# KiCad board glasgow_revD0.kicad_pcb (continued)
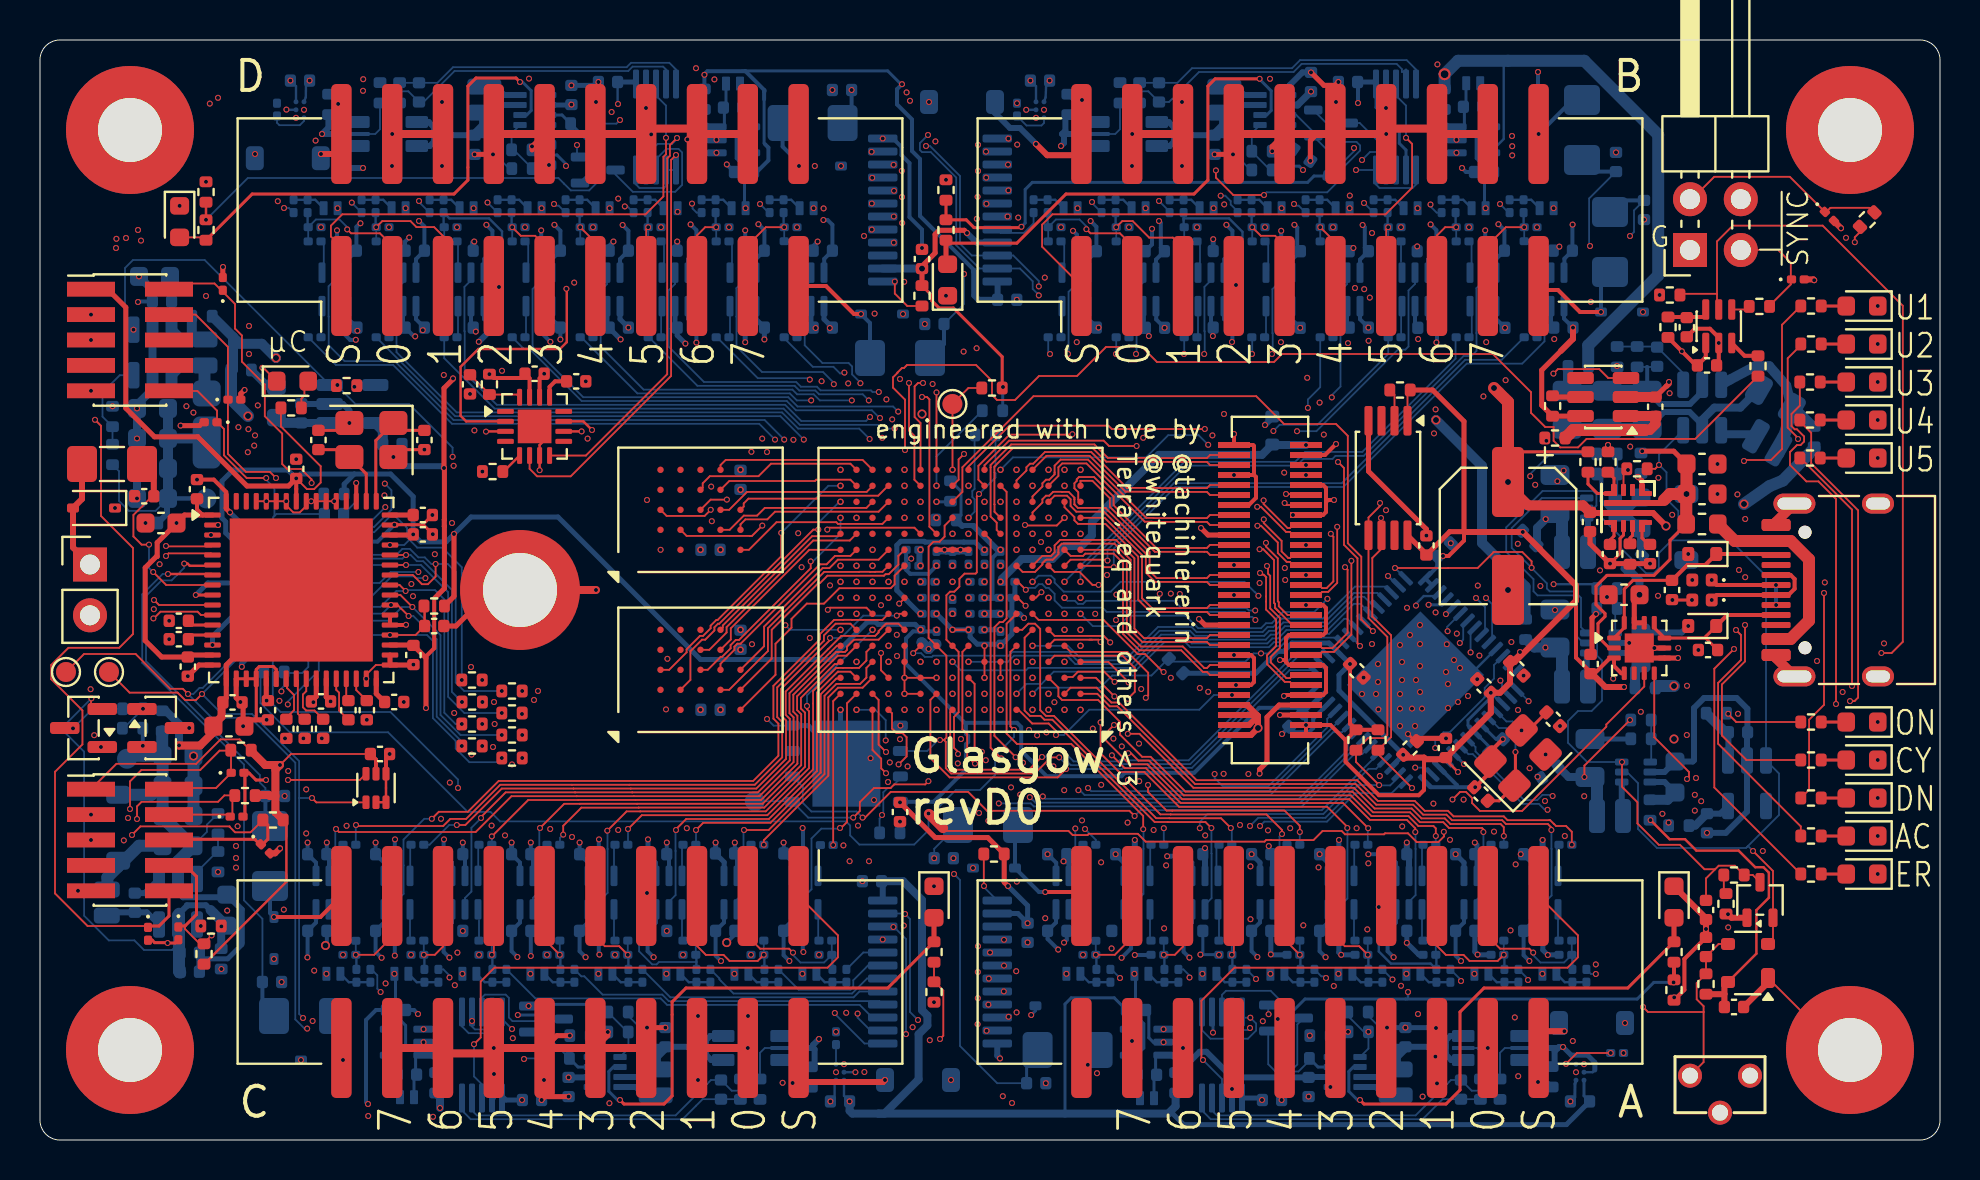
[diagram p0: board, top side]
## Routing (per net, layer and track width the routed paths; a pad name or vN(x,y) marks a point on that pad's centre or on a via; arc(x,y) is an arc through that point) (continued)
/ENVD: length 98.6
  Top w0.12: R21.1 v1(8.3,46.01)
  In2.Cu w0.09: v1(73.6,50.2) 73.19,50.61 53.66,50.61 53.36,50.91 50.45,50.91 50.05,50.5 49.55,50.5 49.15,50.91 45.29,50.91 44.94,50.56 43.91,50.56 43.38,51.09 32.62,51.09 32.14,50.61 29.39,50.61 v1(29,51)
  In3.Cu w0.09: v1(72.3,27.1) 73,27.8 73,33.22 73.91,34.13 73.91,45.77 73.92,45.78 73.92,49.88 v1(73.6,50.2)
  Bottom w0.09: v1(72.3,27.1) 72.6,26.8 72.6,25.07 U2.52 ; v1(29,51) 28.82,50.82 R211.1 27.9,50.47 27.9,47.92 27.46,47.48 26.54,47.48 26.2,47.82 25.92,48.1 10.39,48.1 v1(8.3,46.01)
/FLAGA: length 25.1
  Top w0.09: 44.82,22.31 44.52,22 44.52,19.09 45.48,18.13 50.88,18.13 v1(51.3,18.55)
  Bottom w0.09: v1(51.3,18.55) 54.09,18.55 54.15,18.61 57.59,18.61 62.48,23.49 U2.29
/FLAGB: length 37.8
  Top w0.09: 45.2,20 45.29,19.91 45.29,18.59 45.56,18.33 49.74,18.33 50.54,19.13 v1(50.96,19.13) ; 45.2,20 45.32,20.12 45.32,24.22 44.43,25.11 44.43,29.67 44.67,29.91 44.97,29.91 45.23,30.17 45.23,30.72 U8.N9 ; 45.2,20 v1(45,20)
  Bottom w0.09: v1(45,20) 44.91,20 44.36,19.45 U9.6 ; v1(50.96,19.13) 51.19,18.9 51.38,18.9 51.54,18.74 54.02,18.74 54.07,18.8 57.51,18.8 62.89,24.17 63.71,24.17 U2.30
/FLAGC: length 24.6
  Top w0.09: U8.A9 45.51,21.39 45.51,18.64 45.63,18.52 49.44,18.52 50.08,19.15 v1(50.1,19.15)
  Bottom w0.09: v1(50.1,19.15) 50.27,19.15 50.6,19.48 51.13,19.48 51.68,18.93 53.94,18.93 53.99,18.99 57.44,18.99 62.81,24.36 64.23,24.36
/FLAGD: length 20
  Bottom w0.09: U2.40 67.29,27.67 65.75,27.67 65.62,27.54 65.61,27.54 64.14,26.07 62.09,26.07 61.67,25.65 61.38,25.65 61.13,25.4 57.83,25.4 57.58,25.65 55.9,25.65 54.42,24.18 51.93,24.18 51.39,24.71 v1(49.62,24.71)
/FPGA/CSSPIN: length 29.7
  Top w0.09: v1(44.42,17.94) 44.26,17.78 42.71,17.78 42.53,17.59 41.69,17.59 40.99,16.89 40.99,16.45 v1(40.66,16.12)
  In3.Cu w0.09: v1(46.43,31.11) 46.4,31.11 45.96,30.67 45.96,30.21 45.71,29.96 44.88,29.96 44.52,29.6 44.52,28.41 44.57,28.36 44.81,28.36 45.25,27.92 45.25,24.77 44.52,24.04 44.52,23.87 44.33,23.68 44.33,18.03 v1(44.42,17.94)
  Bottom w0.09: v1(40.66,16.12) 38.41,16.12 U9.1 37.59,16.94 TP3.1 ; R40.1 46.73,35.23 46.73,32.56 46.62,32.45 46.62,32.15 46.73,32.04 46.73,31.42 v1(46.43,31.11)
/FPGA/RAM + LVDS/CK0: length 13
  Top w0.09: v1(38.91,30.52) 38.67,30.52 33.96,25.81 33.9,25.81 33.72,25.64 33.72,25.48 33.26,25.02 33.1,25.02 32.52,24.44 32.52,23 32.03,22.51
  Bottom w0.09: v1(40.03,31.91) 39.97,31.91 38.91,30.86 v1(38.91,30.52)
/FPGA/RAM + LVDS/CK1: length 12.7
  Top w0.09: v1(39.37,30.52) 39.46,30.61 43.72,30.61 U8.M11 ; 32.03,30.51 32.33,30.2 35.49,30.2 35.5,30.2 35.59,30.2 v1(36.12,30.72)
  In2.Cu w0.09: v1(39.37,30.52) 39.06,30.83 36.22,30.83 v1(36.12,30.72)
/FPGA/RAM + LVDS/CS#0: length 13.7
  Top w0.09: U11.A3 31.46,23.51 32.33,24.38 32.33,24.53 33,25.2 33.15,25.2 33.53,25.58 33.53,25.72 33.82,26 33.88,26 37.06,29.18 v1(37.06,30.36)
  Bottom w0.09: v1(40.03,32.71) 39.42,32.71 v1(37.06,30.36)
/FPGA/RAM + LVDS/CS#1: length 13.4
  Top w0.09: U12.A3 31.33,31.2 33.23,31.2 v1(33.53,31.51)
  In2.Cu w0.09: v1(33.53,31.51) 43.62,31.51 v1(44.03,31.91)
/FPGA/RAM + LVDS/DETECT: length 12.2
  Top w0.09: 48.82,21.51 48.92,21.51 49.61,20.83 50.43,20.83 50.8,20.46 v1(50.8,20.25)
  Bottom w0.09: v1(59.6,22.25) 58.7,22.25 57.97,21.52 52.46,21.52 51.2,20.25 v1(50.8,20.25)
/FPGA/RAM + LVDS/DQ0: length 9.6
  Top w0.09: 40.82,29.51 40.52,29.2 39.75,29.2 39.33,28.78 39,28.78 35.03,24.81 34.87,24.81 34.72,24.67 34.72,24.5 34.03,23.81 U11.D3
/FPGA/RAM + LVDS/DQ1: length 11.6
  Top w0.09: U8.K13 42.12,28.41 41.76,28.41 41.75,28.41 41.5,28.41 41.49,28.41 40.96,28.41 40.95,28.41 39.21,28.41 36.4,25.59 36.4,24.45 34.46,22.51 U11.D2
/FPGA/RAM + LVDS/DQ2: length 10.4
  Top w0.09: 40.82,30.31 40.49,29.97 38.66,29.97 34.33,25.64 34.33,25.38 33.47,24.51 U11.C4
/FPGA/RAM + LVDS/DQ3: length 8.4
  Top w0.09: U11.D4 34.54,25.02 34.54,25.58 38.47,29.51 U8.L16
/FPGA/RAM + LVDS/DQ4: length 8
  Top w0.09: U8.M16 39.91,30.19 38.61,30.19 34.14,25.72 34.14,25.62 U11.D5
/FPGA/RAM + LVDS/DQ5: length 10.5
  Top w0.09: U11.E3 36.21,24.69 36.21,25.67 39.13,28.59 39.47,28.59 39.89,29.02 41.93,29.02 U8.L13
/FPGA/RAM + LVDS/DQ6: length 12.2
  Top w0.09: U11.E2 36.59,24.07 36.59,25.51 38.93,27.85 39.01,27.85 39.37,28.22 42.2,28.22 42.28,28.29 42.44,28.29 42.92,28.77 42.92,29.2 U8.L12
/FPGA/RAM + LVDS/DQ7: length 12.6
  Top w0.09: U11.E1 36.78,23.26 36.78,24.81 37.57,25.61 37.57,26.06 38.34,26.82 39.2,26.82 39.97,27.59 42.54,27.59 42.73,27.78 42.73,28.22 U8.K12
/FPGA/RAM + LVDS/DQ8: length 8.1
  Top w0.09: 41.62,32.7 41.33,32.41 35.35,32.41 34.46,31.51 U12.D3
/FPGA/RAM + LVDS/DQ9: length 8.2
  Top w0.09: U12.D2 34.48,30.51 35.19,31.22 35.85,31.22 36.24,31.61 41.32,31.61 U8.P14
/FPGA/RAM + LVDS/DQ10: length 8.6
  Top w0.09: U12.C4 33.13,32.62 33.13,32.83 33.49,33.19 35.93,33.19 36.55,33.81 40.52,33.81 40.82,33.51
/FPGA/RAM + LVDS/DQ11: length 7.1
  Top w0.09: 40.82,32.71 40.52,33.02 38.81,33.02 38.75,32.95 34.47,32.95 U12.D4
/FPGA/RAM + LVDS/DQ12: length 8.1
  Top w0.09: U8.T14 41.13,34 34.28,34 34.03,33.75 U12.D5
/FPGA/RAM + LVDS/DQ13: length 8
  Top w0.09: 42.41,32.71 41.91,32.22 38.97,32.22 38.82,32.07 35.43,32.07 35.19,31.83 35.19,31.67 U12.E3
/FPGA/RAM + LVDS/DQ14: length 8.1
  Top w0.09: U8.P13 41.93,31.42 36.75,31.42 36.37,31.03 35.27,31.03 35.03,30.78 U12.E2
/FPGA/RAM + LVDS/DQ15: length 8.1
  Top w0.09: U8.N13 42.12,30.81 39.9,30.81 39.81,30.89 36.82,30.89 35.44,29.51 U12.E1
/FPGA/RAM + LVDS/DQS0: length 10.9
  Top w0.09: U11.C3 33.39,23.51 34.04,24.16 34.11,24.16 34.53,24.58 34.53,24.75 34.79,25 34.95,25 38.53,28.59 v1(38.53,28.93)
  Bottom w0.09: v1(38.53,28.93) 38.65,28.93 40.03,30.31 v1(40.03,31.11)
/FPGA/RAM + LVDS/DQS1: length 10.7
  Top w0.09: v1(34.34,32.02) 33.53,32.02 U12.C3
  In2.Cu w0.09: v1(34.34,32.02) 35.74,32.02 36.09,32.38 42.9,32.38 v1(43.22,32.71)
/FPGA/RAM + LVDS/VIO_{AUX}: length 19.3
  In2.Cu w0.4: v1(47.22,27.91) v1(48.03,27.91)
  Bottom w0.4: 48.1,27.91 48.1,28.07 49.09,29.05 50.62,29.05 51.27,29.7 52.07,29.7 52.59,30.23 52.59,30.91 55.94,34.25 61.1,34.25 D36.1 61.64,34.75 v1(63.3,34.75)
/FPGA/RAM + LVDS/Z0_N: length 15.4
  Top w0.09: J6.28 58.5,33.75 58.34,33.91 55.38,33.91 55.37,33.92 53.31,33.92 52.64,34.59 48.64,34.59 47.72,33.67 47.72,31.78 47.72,31.78 47.72,31.41 U8.N6
/FPGA/RAM + LVDS/Z0_P: length 16.6
  Top w0.09: U8.M6 47.84,30.5 47.84,30.87 47.53,31.17 47.53,33.64 47.53,33.64 47.53,33.75 48.56,34.78 52.72,34.78 53.39,34.1 55.44,34.1 55.45,34.09 58.34,34.09 58.5,34.25 J6.29
/FPGA/RAM + LVDS/Z1_N: length 13.4
  In2.Cu w0.09: v1(63.3,33.25) 63.14,33.41 62.72,33.41 62.31,33.82 53.25,33.82 53.06,34 50.83,34 50.43,33.6 v1(50.43,33.51)
/FPGA/RAM + LVDS/Z1_P: length 14.9
  In2.Cu w0.09: v1(63.3,33.75) 63.15,33.6 62.8,33.6 62.39,34.01 53.33,34.01 53.14,34.19 50.75,34.19 50.37,33.81 50.3,33.81 50.12,33.64 50.12,33.2 49.63,32.71 v1(49.62,32.71)
/FPGA/RAM + LVDS/Z2_N: length 11.2
  Top w0.09: U8.T4 50.32,34.21 52.48,34.21 54.27,32.42 55.92,32.42 55.93,32.41 58.34,32.41 58.5,32.25 J6.25
/FPGA/RAM + LVDS/Z2_P: length 12.6
  Top w0.09: 48.82,32.71 48.82,32.98 49.32,33.47 49.32,33.64 49.5,33.81 49.66,33.81 50.24,34.4 52.56,34.4 53.16,33.8 53.16,33.8 54.35,32.61 55.99,32.61 56,32.59 58.34,32.59 58.5,32.75 J6.26
/FPGA/RAM + LVDS/Z3_N: length 13.7
  Top w0.09: v1(62.23,31.85) 62.33,31.75 J6.54
  In2.Cu w0.09: v1(62.23,31.85) 62.3,31.85 62.6,32.16 62.6,32.43 62.43,32.61 62.43,32.61 62.19,32.84 54.49,32.84 54.13,33.21 51.53,33.21 v1(51.22,33.51)
/FPGA/RAM + LVDS/Z3_P: length 11.8
  Top w0.09: v1(62.3,32.3) 62.6,32.3
  In2.Cu w0.09: v1(62.3,32.3) 62.26,32.3 61.91,32.66 54.42,32.66 54.06,33.01 51.53,33.01 v1(51.22,32.71)
/FPGA/RAM + LVDS/Z4_N: length 11.3
  Top w0.09: J6.22 58.5,30.75 58.34,30.91 55.6,30.91 55.59,30.92 55.24,30.92 52.32,33.83 51.11,33.83 50.92,33.64 50.92,33.2 U8.R3
/FPGA/RAM + LVDS/Z4_P: length 12.7
  Top w0.09: U8.P4 49.62,32.18 50.12,32.67 50.12,32.84 50.3,33.02 50.46,33.02 50.73,33.28 50.73,33.31 ; 50.73,33.31 50.73,33.38 50.73,33.38 50.73,33.72 51.03,34.02 52.4,34.02 55.31,31.11 55.67,31.11 55.68,31.09 58.34,31.09 58.5,31.25 J6.23
/FPGA/RAM + LVDS/Z5_N: length 14.6
  Top w0.09: 62.65,30.25 62.49,30.41 62.3,30.41 61.05,31.66 60.86,31.66
  In2.Cu w0.09: v1(48.82,31.91) 49.19,31.91 49.26,31.83 60.85,31.83 60.86,31.82 60.86,31.66
  vias: v1(60.86,31.66)
/FPGA/RAM + LVDS/Z5_P: length 15.7
  Top w0.09: 62.65,30.75 62.49,30.59 62.38,30.59 61.18,31.8 v1(61.18,31.98)
  In2.Cu w0.09: v1(61.18,31.98) 61,31.98 60.88,32.1 49.98,32.1 49.91,32.03 49.34,32.02 49.15,32.22 48.33,32.22 v1(48.03,31.91)
/FPGA/RAM + LVDS/Z6_N: length 9.7
  Top w0.09: 59.7,29.25 58.5,29.25 58.34,29.41 55.74,29.41 53.49,31.66 53.49,32.09 52.62,32.96 52.03,32.96 52.03,32.96 U8.R1
/FPGA/RAM + LVDS/Z6_P: length 11
  Top w0.09: 59.7,29.75 58.5,29.75 58.34,29.6 55.82,29.6 53.68,31.74 53.68,32.17 52.7,33.15 51.95,33.15 51.84,33.03 51.84,32.95 51.72,32.84 51.72,32.58 51.91,32.39 51.91,32.02 U8.P1
/FPGA/RAM + LVDS/Z7_N: length 15.6
  Top w0.09: v1(60.87,30.71) 61.05,30.71 61.89,29.88 61.89,29.35 62.34,28.9 62.5,28.9 62.65,28.75
  In2.Cu w0.09: v1(48.82,31.11) 48.82,31.31 48.93,31.42 57.39,31.42 57.62,31.18 60.59,31.18 60.87,30.89 v1(60.87,30.71)
/FPGA/RAM + LVDS/Z7_P: length 16.9
  Top w0.09: 62.65,29.25 62.5,29.09 62.42,29.09 62.08,29.43 62.08,29.95 61.19,30.85 v1(61.19,31.03)
  In2.Cu w0.09: v1(61.19,31.03) 61.01,31.03 60.66,31.37 57.7,31.37 57.46,31.61 48.85,31.61 48.63,31.39 48.63,31.39 48.52,31.27 48.52,30.61 v1(48.82,30.31)
/FPGA/RAM + LVDS/Z8_N: length 12
  Top w0.09: U8.P3 50.54,32.02 50.54,32.02 50.73,32.22 51.35,32.22 51.53,32.04 51.53,31.7 51.82,31.42 53.2,31.42 55.29,29.32 55.29,28.37 55.76,27.91 58.34,27.91 58.5,27.75 J6.16
/FPGA/RAM + LVDS/Z8_P: length 13.5
  Top w0.09: J6.17 58.5,28.25 58.34,28.09 55.83,28.1 55.48,28.45 55.48,29.4 53.28,31.61 51.89,31.61 51.72,31.78 51.72,31.78 51.72,32.04 51.72,32.04 51.72,32.12 51.43,32.41 51.1,32.41 51.1,32.41 50.65,32.41 50.65,32.41 ; 50.65,32.41 50.46,32.22 50.3,32.22 50.12,32.04 50.12,31.87 49.62,31.38 U8.N4
/FPGA/RAM + LVDS/Z9_N: length 19.2
  Top w0.09: 64.86,30.61 64.86,30.61 64.86,27.86 64.41,27.41 64.1,27.41 63.95,27.25
  In2.Cu w0.09: v1(50.43,31.11) 50.87,30.66 51.02,30.81 51.82,30.81 51.82,30.81 52.02,30.81 52.21,30.99 60.16,30.99 60.74,30.41 61,30.41 61.38,30.79 64.49,30.79 64.62,30.66 v1(64.86,30.66) 64.86,30.61
/FPGA/RAM + LVDS/Z9_P: length 19.8
  Top w0.09: 64.54,30.29 64.67,30.16 64.67,27.93 64.33,27.59 64.1,27.59 63.95,27.75
  In2.Cu w0.09: 64.54,30.29 v1(64.54,30.31) 64.54,30.47 64.41,30.6 61.46,30.6 61.08,30.21 60.67,30.21 60.08,30.8 58.75,30.8 58.1,30.14 57.8,30.14 57.15,30.8 52.29,30.8 52.1,30.61 51.1,30.61 50.88,30.4 50.77,30.4 50.55,30.61 49.93,30.61 v1(49.62,30.31)
/FPGA/RAM + LVDS/Z10_N: length 12.3
  Top w0.09: U8.P2 51.22,31.64 51.72,31.15 51.72,30.98 51.9,30.81 53.27,30.81 54.91,29.17 54.91,27.01 55.52,26.4 58.34,26.4 58.5,26.25 J6.13
/FPGA/RAM + LVDS/Z10_P: length 10.9
  Top w0.09: U8.N1 53.23,31.11 55.1,29.24 55.1,27.09 55.59,26.6 58.34,26.6 58.5,26.75 J6.14
/FPGA/RAM + LVDS/Z11_N: length 15.5
  Top w0.09: 61.33,29.37 61.7,29 61.7,26.86 61.75,26.81 61.75,26.61 ; 61.95,26.41 61.75,26.61 ; 61.95,26.41 61.75,26.61 ; 61.95,26.41 62.61,25.75 62.65,25.75 ; v1(60.98,29.54) 61.16,29.54 61.33,29.37
  In2.Cu w0.09: v1(51.22,30.31) 51.41,30.12 51.78,30.12 51.9,30 52.15,30 52.27,30.12 57.29,30.12 57.65,29.77 58.25,29.77 58.61,30.12 60.22,30.12 60.23,30.11 60.51,29.83 60.87,29.83 60.98,29.72 v1(60.98,29.54)
/FPGA/RAM + LVDS/Z11_P: length 14.1
  Top w0.09: v1(61.3,29.86) 61.3,29.67 61.89,29.08 61.89,26.94 61.94,26.89 61.94,26.69 62.38,26.25 62.65,26.25
  In2.Cu w0.09: v1(61.3,29.86) 61.11,29.86 60.95,30.02 60.59,30.02 60.3,30.31 58.53,30.31 58.18,29.95 57.72,29.95 57.37,30.31 v1(52.03,30.31)
/FPGA/RAM + LVDS/Z12_N: length 16
  Top w0.09: J6.10 58.5,24.75 58.34,24.91 55.12,24.91 54.53,25.49 54.53,29.01 53.72,29.81 51.09,29.81 50.92,29.65 50.92,29.64 50.92,29.64 50.92,29.38 50.92,29.38 50.92,29.3 50.63,29.02 50.3,29.02 50.12,28.84 50.12,28.77 49.75,28.41 49.13,28.41 48.82,28.71
/FPGA/RAM + LVDS/Z12_P: length 15
  Top w0.09: U8.K4 50.12,29.2 50.55,29.2 50.73,29.38 50.73,29.73 51.01,30 53.8,30 54.72,29.09 54.72,25.57 55.19,25.09 58.34,25.09 58.5,25.25 J6.11
/FPGA/RAM + LVDS/Z13_N: length 21.8
  Top w0.09: 63.95,24.25 64.11,24.41 64.7,24.41 65.57,25.27 v1(65.57,28.96)
  In2.Cu w0.09: v1(65.57,28.96) 65.39,28.96 65.11,29.23 60.74,29.23 60.04,29.93 58.69,29.93 58.33,29.58 57.57,29.58 57.21,29.93 52.34,29.93 52.23,29.81 50.92,29.81 v1(50.43,30.31)
/FPGA/RAM + LVDS/Z13_P: length 20.9
  Top w0.09: 63.95,24.75 64.11,24.59 64.62,24.59 65.38,25.35 65.38,28.51 v1(65.25,28.64)
  In2.Cu w0.09: v1(65.25,28.64) 65.25,28.82 65.04,29.04 60.66,29.04 59.97,29.74 58.76,29.74 58.41,29.39 57.49,29.39 57.14,29.74 52.42,29.74 52.2,29.51 v1(50.43,29.51)
/FPGA/RAM + LVDS/Z14_N: length 13.2
  Top w0.09: U8.L2 51.53,29.2 52.15,29.2 52.27,29.32 53.68,29.32 54.15,28.85 54.15,25.3 54.97,24.48 57.06,24.48 58.14,23.4 58.34,23.41 58.5,23.25 J6.7
/FPGA/RAM + LVDS/Z14_P: length 12.3
  Top w0.09: J6.8 58.5,23.75 58.34,23.59 58.22,23.59 57.14,24.67 55.04,24.67 54.34,25.38 54.34,28.93 53.76,29.51 U8.L1
/FPGA/RAM + LVDS/Z15_N: length 20.1
  Top w0.09: 62.65,22.75 62.5,22.91 62.24,22.91 61.35,23.8 61.35,24.23 61.81,24.69 61.81,26.02 61.3,26.52 61.3,26.92 61.31,26.92 61.31,27.18 61.3,27.18 61.3,28.13 61.31,28.14 61.18,28.27 61,28.27
  In2.Cu w0.09: 61,28.27 61,28.34 60.78,28.56 60.6,28.56 59.84,29.32 58.88,29.32 58.57,29 57.33,29 57.02,29.32 52.54,29.32 52.24,29.01 49.32,29.01 v1(48.82,29.51)
  vias: v1(61,28.35)
/FPGA/RAM + LVDS/Z15_P: length 19.4
  Top w0.09: 62.65,23.25 62.5,23.09 62.32,23.09 61.54,23.87 61.54,24.16 62,24.61 62,26.1 61.51,26.58 61.51,28.21 61.4,28.32 61.4,28.65 v1(61.35,28.7)
  In2.Cu w0.09: v1(49.62,29.51) 49.93,29.2 52.16,29.2 52.47,29.51 57.09,29.51 57.41,29.19 58.49,29.19 58.81,29.51 59.92,29.51 60.68,28.75 61.29,28.75 v1(61.35,28.7)
/FPGA/SYNCBALL: length 67.6
  Top w0.09: v1(43.25,34.5) 43.25,37.02 42.65,37.62 42.65,38.13 42.87,38.36 42.87,38.37 43.1,38.6 43.2,38.6 43.35,38.75 46.8,38.75 47.6,37.95 47.6,37.25 47.85,37 48.75,37 49.95,38.2 51.85,38.2 53.3,39.65 55.1,39.65 55.85,38.9 61.7,38.9 62.1,39.3 72.64,39.3 74.55,37.39 74.55,36.36 75.26,35.65 75.68,35.65 75.68,34.96 76.01,34.63 76.9,34.63 77.33,35.06 82.76,35.06 R46.2
  In3.Cu w0.09: v1(43.25,34.5) 42.91,34.17 42.91,30.99 43.05,30.85 43.05,28.55 43.53,28.07 43.53,26.93 43.3,26.7 43.3,23.88 42.43,23 v1(42.43,22.31)
/FPGA/SYNSYN: length 58.2
  Top w0.09: v1(90.74,44.89) 90.74,45.14 91,45.4 R58.2
  In2.Cu w0.09: 46.82,39.59 v1(46.83,39.59) 47.56,40.33 52.79,40.33 53.34,39.77 59.29,39.77 59.47,39.59 59.73,39.59 60.44,40.31 66.56,40.31 67.29,39.58 80.3,39.58 80.89,38.98 82.08,38.98 86.94,43.85 89.47,43.85 90.51,44.89 v1(90.74,44.89)
  In3.Cu w0.09: v1(46.42,30.31) 46.73,30.62 46.73,32.09 46.65,32.17 46.65,32.5 46.83,32.68 v1(46.83,39.59)
/FPGA/TCK: length 72.1
  Top w0.09: v1(44.82,37.38) 44.82,33.51 ; v1(4.85,16.05) 4.85,16.68 5.08,16.91 8.9,16.91 9.22,17.23 9.77,17.23 ; 9.55,16.15 9.62,16.22 9.62,17.13 9.74,17.25 ; J5.4 9.48,16.27 9.55,16.2
  In2.Cu w0.09: v1(44.82,37.38) 44.71,37.5 42.85,37.5 42.43,37.92 41.53,37.92 41.09,37.47 38.35,37.47 37.64,36.76 11.64,36.76 v1(10.42,35.54)
  In3.Cu w0.09: v1(10.42,35.54) 9.16,34.28 8.49,34.28 7.45,33.25 7.45,32.03 7.85,31.63 7.85,29.89 7.82,29.86 7.82,28.79 7.45,28.42 7.45,25.22 5.75,23.52 5.75,18.75 4.85,17.85 v1(4.85,16.05)
/FPGA/TDI: length 76.9
  Top w0.09: 7.25,10.7 7.25,10.55 7.99,9.81 R53.2 8.2,9.85 v1(8.58,10.23) ; U8.R11 43.72,33.02 43.72,35.2 43.45,35.47 v1(43.45,37.85)
  Top w0.15: J5.8 7.27,13.73 7.82,13.17 7.82,11.27 7.25,10.7 6.9,10.7
  In2.Cu w0.09: v1(10.39,34.39) 9.61,35.17 9.61,35.94 10.96,37.29 21.08,37.29 21.37,37 36.99,37 38.67,38.68 41.01,38.68 41.53,38.17 42.45,38.17 42.93,37.69 43.28,37.69 v1(43.45,37.85)
  In3.Cu w0.09: v1(10.39,34.39) 9.26,33.27 9.26,33.02 8.65,32.4 8.65,31.05 8.25,30.64 8.25,30.12 8.5,29.87 8.5,25.5 6.25,23.25 6.25,12.06 8.08,10.23 v1(8.58,10.23)
/FPGA/TDO: length 77.8
  Top w0.09: 44.82,30.31 44.47,30.67 44.47,37.03 44.35,37.15 v1(44.1,37.15) ; v1(4.6,15.25) 4.6,15.26 5.02,15.68 9.48,15.68 9.48,15.66 9.75,15.39 10.53,15.39 R52.2
  Top w0.15: 11.22,15.92 11.39,15.75 11.39,15.04 11.12,14.77 11,14.77 10.74,15.03 6.49,15.03
  In2.Cu w0.09: v1(44.1,37.15) 43.96,37.3 42.76,37.3 42.76,37.3 42.33,37.73 41.61,37.73 41.17,37.28 38.43,37.28 37.72,36.57 12.22,36.57 10.88,35.23 v1(10.75,35.23)
  In3.Cu w0.09: v1(10.75,35.23) 8.2,32.68 8.2,30.87 8.06,30.72 8.06,30.04 8.2,29.9 8.2,25.7 6.05,23.55 6.05,16.7 v1(4.6,15.25)
/FPGA/TMS: length 77
  Top w0.09: 9.54,19.45 9.55,19.44 9.55,18.35 8.8,17.6 6.51,17.6 J5.2 ; v1(44.15,37.85) 43.9,37.85 43.73,37.68 43.73,36.15 44.03,35.85 U8.T11 ; 9.57,19.47 8.98,19.47 8.01,18.5 5.07,18.5 4.5,17.93 v1(4.5,16.55)
  In2.Cu w0.09: v1(7.32,36.69) 7.35,36.72 7.35,37.1 8.45,38.2 19.73,38.2 20.16,37.77 25.1,37.77 25.98,38.66 35.45,38.66 35.69,38.9 41.06,38.9 41.6,38.36 43.65,38.36 v1(44.15,37.85)
  In3.Cu w0.09: v1(7.32,36.69) 7.12,36.49 7.12,36.25 7.5,35.87 7.5,33.57 7.26,33.33 7.26,31.62 7.5,31.38 7.5,29.95 6.9,29.34 6.9,25.04 5.5,23.65 5.5,18.82 4.5,17.81 v1(4.5,16.55)
/FPGA/U1: length 78.2
  Top w0.09: v1(85.2,33.95) 85.25,34 86.55,34 87.1,34.55 87.1,40.76 R41.1
  In2.Cu w0.09: v1(35.57,34.41) 35.79,34.41 36.19,34 45.75,34 46.56,33.2 47.61,33.2 48.22,32.59 49.31,32.59 49.5,32.41 49.75,32.41 50.91,33.56 50.91,33.81 52.15,33.81 52.34,33.63 61.34,33.63 61.94,33.03 62.26,33.03 62.35,32.94 72.34,32.94 73.5,34.11 85.04,34.11 v1(85.2,33.95)
  In3.Cu w0.09: v1(42.43,23.91) 41.26,23.91 40.95,23.61 37.87,23.61 35.8,25.67 35.8,34.18 v1(35.57,34.41)
/FPGA/U2: length 73.6
  Top w0.09: v1(87.9,35.05) 87.9,35.1 87.38,35.61 87.38,39.08 88.04,39.74 R42.1
  In2.Cu w0.09: v1(87.9,35.05) 87.12,35.83 74.63,35.83 72.4,33.59 64.77,33.59 64.17,34.2 53.41,34.2 53.22,34.39 50.67,34.39 50.49,34.2 46.55,34.2 46.34,34 46.07,34 45.79,34.28 43.59,34.28 43.51,34.19 36.56,34.19 v1(36.35,34.4)
  In3.Cu w0.09: v1(42.43,24.71) 42.15,24.98 40.05,24.98 39.63,25.41 37.17,25.41 36.42,26.16 36.42,34.33 v1(36.35,34.4)
/FPGA/U3: length 72.4
  Top w0.09: U8.A13 42.6,21.33 42.6,20.57 42.82,20.34 43.13,20.34 43.33,20.14 43.33,19.18 v1(42.93,18.78) ; R43.1 87.99,36.72 87.57,36.3 87.57,35.7 87.74,35.53 87.85,35.53 88.21,35.18 88.21,34.92 88.03,34.75 87.84,34.75 87.5,34.4 87.5,33.75 88.32,32.93 88.92,32.93 89.8,32.05 v1(89.8,21.8)
  In2.Cu w0.09: v1(42.93,18.78) 42.93,18.7 43.28,18.35 49.81,18.35 50.1,18.06 51.51,18.06 51.62,18.17 53.02,18.17 53.5,18.66 61.28,18.66 61.36,18.58 65.15,18.58 65.77,19.2 67.25,19.2 68.1,18.35 68.6,18.35 68.63,18.31 70.28,18.31 71.07,19.11 71.33,19.11 71.47,18.96 78.73,18.96 78.97,19.2 88.66,19.2 89.9,20.45 89.9,21.7 v1(89.8,21.8)
/FPGA/U4: length 72.9
  Top w0.09: v1(42.3,18.34) 42.06,18.58 42.06,19.07 41.62,19.5 U8.A14 ; R44.1 87.99,35.93 88.56,35.36 88.56,33.83 90.91,31.48 90.91,22.12 90.73,21.94 v1(90.5,21.94)
  In2.Cu w0.09: 43.26,17.06 43.13,17.19 42.94,17.19 42.53,17.59 42.27,17.59 42,17.87 42,18.03 v1(42.3,18.34) ; v1(90.5,21.94) 90.5,20.35 87.9,17.75 78.26,17.75 78.03,17.51 75.38,17.51 74.21,16.34 55.07,16.34 54.91,16.5 52.06,16.5 51.1,15.55 44.77,15.55 43.21,17.11
/FPGA/U5: length 74.1
  Top w0.09: R45.1 88.02,34.1 90.6,31.52 v1(90.6,22.7) ; v1(42.3,19.4) 41.93,19.77 41.93,22 U8.B14
  In2.Cu w0.09: v1(42.3,19.4) 41.81,18.91 41.81,17.64 44.25,15.2 54.2,15.2 55.15,16.15 75.4,16.15 76.03,15.52 83.08,15.52 83.22,15.66 88.26,15.66 90.9,18.3 90.85,18.35 90.85,22.45 v1(90.6,22.7)
/FPGA/~{SYNC}: length 5.4
  Top w0.09: R50.1 86.48,41.72 87.54,42.78 87.54,43.87 86.91,44.5 J4.3
/FPGA_DONE: length 69.1
  Top w0.09: U8.P9 46.12,32.41 46.12,33.64 49.67,37.19 60.81,37.19 62.2,35.8 64.8,35.8 65.39,35.21 65.39,29.84 66.06,29.16 66.06,26.03 v1(66.65,25.44) ; v1(89.2,27.35) 89.2,21.76 88.46,21.01 88.46,17.52 R3.1
  In2.Cu w0.09: v1(89.2,27.35) 89.15,27.4 86.72,27.4 86.49,27.63 78.4,27.63 78.12,27.35 76.17,27.35 75.61,26.79 71.68,26.79 71.36,27.11 68.31,27.11 v1(66.65,25.44)
  Bottom w0.09: v1(66.65,25.44) 66.16,25.93 U2.36
/FPGA_INITn: length 41.5
  Top w0.09: R54.1 46.42,37.6 TP4.1 45.62,36.8 v1(45.62,33.51) 45.62,33.52
  In2.Cu w0.09: v1(45.62,33.51) 45.32,33.81 22.43,33.81 21.59,34.66 20.28,34.66 v1(17.26,31.64)
  Bottom w0.09: v1(17.26,31.64) 16.47,30.84 12.83,30.84 12.22,30.23 12.22,29.76 U6.6
/INTB: length 31.4
  In2.Cu w0.09: v1(49.86,20.23) 49.81,20.19 46.34,20.19 46.18,20.36 41.06,20.36 40.65,19.94 24.81,19.94 24.62,19.75 23.19,19.75 22.78,19.34 22.46,19.34 v1(22.11,19.7)
  In3.Cu w0.09: v1(49.62,23.11) 49.93,22.81 49.93,20.31 v1(49.86,20.23)
/IO Banks/A.DIR0: length 30.8
  Top w0.09: v1(75.57,15.5) 75.57,15.62 75.39,15.8 73.3,15.8 73.11,15.99 70.6,15.99 70.32,16.27 69.15,16.27 68.66,16.77 66.81,16.77 65.78,17.8 57.75,17.8 53.87,21.69 53.49,21.69 52.87,22.31 U8.B1
  Bottom w0.09: v1(75.57,15.5) 75.57,14.56 75.58,14.55 75.58,12.22 75.25,11.89 75.25,11.23
/IO Banks/A.DIR1: length 29.9
  Top w0.09: v1(72.17,15.4) 72.17,15.53 72.1,15.6 70.45,15.6 70.16,15.89 69,15.89 68.5,16.39 66.65,16.39 65.62,17.42 57.27,17.42 55.53,19.16 55.11,19.16 54,20.26 54,20.9 52.91,22 51.1,22 50.92,22.18 50.92,22.61 U8.C3
  Bottom w0.09: v1(72.17,15.4) 72.17,13.74 72.18,13.73 72.18,12.36 71.85,12.03 71.85,11.23
/IO Banks/A.DIR2: length 26.3
  Top w0.09: U8.C1 52.79,23.11 v1(53.72,22.18) ; v1(53.7,20.75) 53.27,20.32 53.27,20 54.49,18.78 55.37,18.78 57.11,17.04 65.46,17.04 66.49,16 68.34,16 68.76,15.58 v1(68.76,15.4)
  In3.Cu w0.09: v1(53.7,20.75) 53.71,20.76 53.71,22.17 v1(53.72,22.18)
  Bottom w0.09: v1(68.76,15.4) 68.78,15.39 68.78,14.56 68.78,14.55 68.78,12.25 68.45,11.92 68.45,11.23
/IO Banks/A.DIR3: length 26.9
  Top w0.09: U8.E3 50.73,25.02 52.6,25.02 ; v1(53.03,24.9) 53.03,24.91 52.93,25.02 52.47,25.02 ; v1(53.03,20.88) 53.03,19.33 53.96,18.4 55.22,18.4 56.96,16.66 64.36,16.66 65.37,15.66 v1(65.37,15.6)
  In3.Cu w0.09: v1(53.03,24.9) v1(53.03,20.88)
  Bottom w0.09: v1(65.37,15.6) 65.37,15.59 65.37,12.08 65.05,11.76 65.05,11.23
/IO Banks/A.DIR4: length 21.5
  Top w0.09: v1(62.1,15.3) 62.1,15.5 61.32,16.28 56.54,16.28 56.02,16.28 54.4,17.9 v1(54.4,18) ; U8.D1 52.03,23.9 53.42,23.9 54.43,22.89 v1(54.43,22.88)
  In3.Cu w0.09: v1(54.43,22.88) 54.47,22.88 54.75,22.59 54.75,22.42 54.83,22.35 54.83,20.13 54.65,19.95 54.65,19.69 54.83,19.51 54.83,18.43 v1(54.4,18)
  Bottom w0.09: v1(62.1,15.3) 61.97,15.17 61.97,14.56 61.98,14.55 61.98,12.19 61.65,11.86 61.65,11.23
/IO Banks/A.DIR5: length 20.5
  Top w0.09: U8.F4 49.23,25.11 49.23,21.47 49.5,21.2 50.03,21.2 50.22,21.02 50.62,21.02 55.73,15.9 56.38,15.9 56.38,15.9 58.27,15.9 v1(58.57,15.6)
  Bottom w0.09: v1(58.57,15.6) 58.57,14.33 58.58,14.32 58.58,12.09 58.25,11.76 58.25,11.23
/IO Banks/A.DIR6: length 19.8
  Top w0.09: 48.82,26.31 48.33,25.81 48.33,20.32 48.85,19.8 51.56,19.8 55.16,16.2 v1(55.16,15.54)
  Bottom w0.09: 54.85,11.23 54.85,11.98 55.17,12.3 55.17,14.55 55.18,14.56 55.18,15.53 v1(55.16,15.54)
/IO Banks/A.DIR7: length 15.1
  In3.Cu w0.09: v1(51.22,25.51) 51.46,25.51 51.53,25.44 51.53,20.39 51.99,19.93 51.99,17.99 51.79,17.8 51.79,17.8 51.6,17.61 51.6,15.73 v1(51.76,15.58)
  Bottom w0.09: v1(51.76,15.58) 51.76,13.74 51.77,13.73 51.77,12.25 51.45,11.92 51.45,11.23
/IO Banks/A.P0: length 32.4
  In2.Cu w0.09: v1(77.79,8.3) 77.79,8.29 76.16,6.66 49.53,6.66 49.25,6.38 49.25,6.03 48.68,5.46 v1(47.33,5.46)
  Bottom w0.09: v1(77.79,8.3) 77.55,8.3 R118.2
/IO Banks/A.P1: length 27.6
  In2.Cu w0.09: v1(48.43,6.16) 48.43,6.41 48.86,6.84 73.25,6.84 74.4,7.99 v1(74.4,8)
  Bottom w0.09: R119.2 74.4,8.05 v1(74.4,8)
/IO Banks/A.P2: length 24.9
  In2.Cu w0.09: v1(47.42,6.77) 47.69,7.03 70.15,7.03 71.05,7.94 v1(71.05,7.95)
  Bottom w0.09: v1(71.05,7.95) 70.97,8.03 70.97,8.08 R120.2
/IO Banks/A.P3: length 20.6
  In2.Cu w0.09: v1(48.19,7.43) 48.4,7.22 66.84,7.22 67.62,8.02 v1(67.62,8.03)
  Bottom w0.09: v1(67.62,8.03) R121.2
/IO Banks/A.P4: length 18.2
  In2.Cu w0.09: v1(47.44,8.07) 48.24,8.07 48.9,7.42 63.63,7.42 64.3,8.08 v1(64.3,8.1)
  Bottom w0.09: R122.2 64.06,8.19 64.22,8.19 v1(64.3,8.1)
/IO Banks/A.P5: length 14.1
  In2.Cu w0.09: v1(60.8,8.05) 60.35,7.61 48.98,7.61 48.2,8.39 v1(48.2,8.72)
  Bottom w0.09: v1(60.8,8.05) R123.2
/IO Banks/A.P6: length 11.6
  In2.Cu w0.09: v1(57.48,8.12) 57.48,8.08 57.19,7.8 49.97,7.8 48.4,9.38 v1(47.5,9.38)
  Bottom w0.09: v1(57.48,8.12) 57.48,8.22 57.17,8.53 R124.2
/IO Banks/A.P7: length 7.4
  In2.Cu w0.09: v1(54,8.1) 54,8 50.06,8 48.2,9.86 v1(48.2,10.01)
  Bottom w0.09: v1(54,8.1) 53.57,8.53
/IO Banks/A.Q0: length 29.1
  Top w0.09: U8.B2 51.53,22.61 52.83,22.61 53.57,21.88 53.94,21.88 57.83,17.99 65.85,17.99 66.89,16.95 68.74,16.95 69.23,16.46 70.4,16.46 70.68,16.18 73.19,16.18 73.38,15.99 75.47,15.99 75.47,15.99 75.51,15.99 75.69,15.81 75.7,15.81 75.8,15.7 76.3,15.7 76.59,15.41 v1(76.59,14.76)
/IO Banks/A.Q1: length 29.7
  Top w0.09: v1(73.19,15.2) 73.19,15.64 73.03,15.8 70.52,15.8 70.24,16.08 69.08,16.08 68.58,16.58 66.73,16.58 65.7,17.61 57.67,17.61 54.97,20.31 v1(54.39,20.31) ; U8.D3 50.73,24.22 54.12,24.22 54.74,23.6 54.74,22.41 v1(54.39,22.06)